# Altium PCB PCB.PcbDoc (part 5 of 10)
Units mm, origin at the board's own origin, x right, y up, seen from the top; angles counter-clockwise.
Board outline 25 x 25 mm, 10 copper layers (Top Layer, bu3, bu2, bu1, Core1, Core1b, bu1b, bu2b, bu3b, Bottom Layer), stack 1.2 mm thick; 43 components, 310 nets, 1945 pads, 12307 vias.
Unrouted connection lines stored in the file: 68.
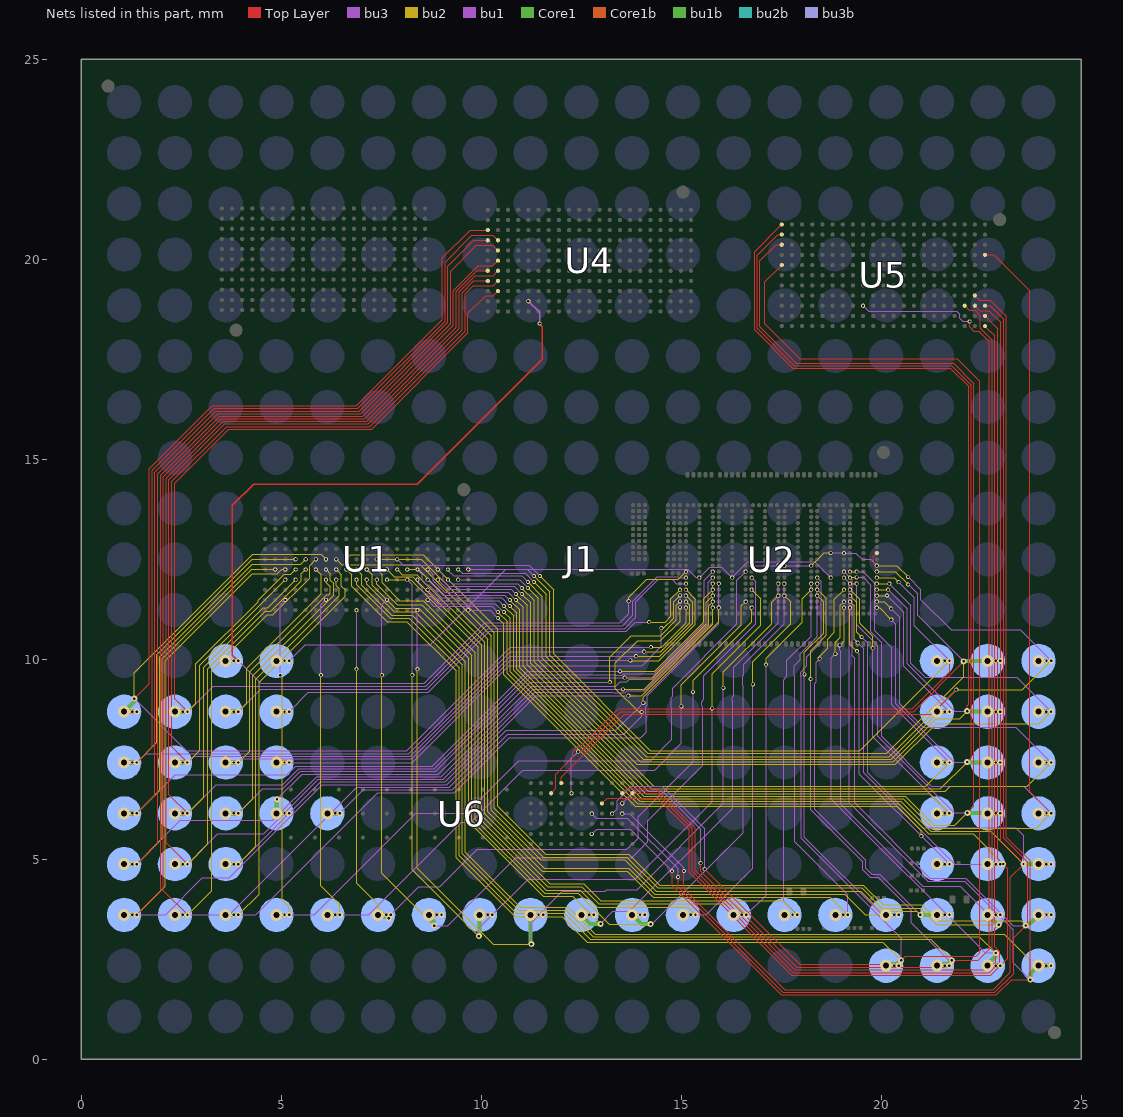
[diagram p13: the nets of this part, all layers, seen from the top]

## Via types
v1: diameter 0.1, hole 0.06, Top Layer to bu3, 2216 vias
v2: diameter 0.1, hole 0.06, bu3 to bu2, 1881 vias
v3: diameter 0.1, hole 0.06, bu3b to Bottom Layer, 1302 vias
v4: diameter 0.1, hole 0.06, bu2b to bu3b, 1272 vias
v5: diameter 0.1, hole 0.06, bu2 to bu1, 1248 vias
v6: diameter 0.15/0.1 (per signal layer), hole 0.06, Core1b to bu1b, 1224 vias
v7: diameter 0.1/0.15 (per signal layer), hole 0.06, bu1 to Core1, 1096 vias
v8: diameter 0.1, hole 0.06, bu1b to bu2b, 1021 vias
v9: diameter 0.25, hole 0.15, Core1 to Core1b, 537 vias
v10: diameter 0.3, hole 0.15, Core1 to Core1b, 253 vias
v11: diameter 0.1/0.1 (per signal layer), hole 0.06, bu1b to bu2b, 114 vias
v12: diameter 0.26, hole 0.15, Core1 to Core1b, 81 vias
v13: diameter 0.1, hole 0.06, bu1 to Core1, 52 vias
v14: diameter 0.105, hole 0.06, Top Layer to bu3, 6 vias
v15: diameter 0.1, hole 0.06, Core1b to bu1b, 4 vias

## Nets (pads, with @x,y where several pads share a name; then routed paths per layer and width w, separated by ;. In a path a pad name is that pad's centre, name@x,y a point inside that pad or via, vN(x,y) a via of type N, cw(c..) or ccw(c..) an arc to the next point about the centre after c; other vN are vias at no path point) (continued)
sig_M1: J1.M1 U1.T7 U2.8 U2.66 U2.82 U2.95 U2.111 U2.182 U2.211 U6.A8 | length 40.4
  Top Layer w0.03: U6.A8@12,6.905 12,7.057 13.57,8.627 21.26,8.627 v1(21.877,9.244) ; v5(17.427,12.344) v1(17.577,12.344) ; v2(19.887,12.344) 19.794,12.437 19.794,12.562 U2.182@19.887,12.654
  bu3 w0.03: v1(9.42,12.246) 9.517,12.149 11.099,12.149 v2(11.315,11.933) ; v5(19.067,12.654) 19.364,12.654 19.518,12.5 19.731,12.5 v2(19.887,12.344)
  Core1 w0.1: v8(23.93,9.96) v7(24.245,9.961)
  Core1b w0.1: v8(23.93,9.96) v7(24.245,9.961)
  bu3b w0.1: v8(23.93,9.96) v4(24.13,9.96)
  bu2 w0.03: v2(11.315,11.933) 11.623,11.625 11.623,10.061 14.118,7.566 20.195,7.566 21.873,9.244 v1(21.877,9.244) 21.887,9.234 23.518,9.234 v7(24.245,9.961) ; v2(18.247,12.344) 18.567,12.664 v5(18.734,12.664) ; v2(19.887,12.344) 20.387,12.344 v5(20.669,12.062)
  bu2b w0.1: v8(23.93,9.96) v4(24.13,9.96)
  bu1 w0.03: v5(16.757,12.344) v5(17.427,12.344) v1(17.577,12.344) v2(18.247,12.344) ; v5(18.734,12.664) 18.739,12.659 19.062,12.659 v5(19.067,12.654) ; v5(20.669,12.062) 20.986,11.745 20.986,11.492 21.743,10.735 23.47,10.735 23.682,10.523 v7(24.245,9.961)
  bu1b w0.1: v8(23.93,9.96) v7(24.245,9.961)
  other v1: 16.757,12.344 17.427,12.344 18.247,12.344 19.887,12.344 19.067,12.654
  other v2: 21.877,9.244 16.757,12.344 17.427,12.344 17.577,12.344 19.067,12.654
  other v3: 23.93,9.96
  other v5: 24.245,9.961 17.577,12.344 18.247,12.344
  other v6: 24.245,9.961
  other v10: 23.93,9.96
sig_M2: J1.M2 U1.U7 U2.7 U6.B7 | length 33.1
  Top Layer w0.03: v1(12.419,7.693) 12.42,7.694 12.492,7.694 13.492,8.694 20.806,8.694 v7(22.059,9.947)
  bu3 w0.03: v1(9.674,12.246) 11.152,12.246 v2(11.315,12.083) ; v1(12.254,6.651) 12.254,7.528 v1(12.419,7.693)
  Core1 w0.1: v7(22.059,9.947) 22.066,9.954 22.654,9.954 v3(22.66,9.96)
  Core1b w0.1: v3(22.66,9.96) v6(22.975,9.961)
  bu3b w0.1: v3(22.66,9.96) v4(22.86,9.96)
  bu2 w0.03: v2(11.315,12.083) 11.713,11.685 11.713,10.098 14.165,7.646 20.135,7.646 22.059,9.57 v7(22.059,9.947) ; v2(19.887,12.194) 20.348,12.194 v5(20.671,11.871)
  bu2b w0.1: v3(22.66,9.96) v4(22.86,9.96)
  bu1 w0.03: v5(20.671,11.871) 20.906,11.636 20.906,11.1 v7(22.059,9.947)
  bu1b w0.1: v3(22.66,9.96) v6(22.975,9.961)
  other v1: 22.059,9.947 19.887,12.194
  other v2: 22.059,9.947
  other v5: 22.059,9.947
  other v8: 22.66,9.96
  other v10: 22.66,9.96
sig_M3: J1.M3 U1.N6 U2.6 U6.B9 | length 33.9
  Top Layer w0.03: U6.B9@11.746,6.651 11.867,6.772 11.867,7.126 12.29,7.549 12.29,7.691 12.426,7.827 12.49,7.827 13.425,8.762 20.774,8.762 21.705,9.693 v6(21.705,9.961)
  bu3 w0.03: v1(7.896,12.5) 8.05,12.346 11.202,12.346 v2(11.465,12.083)
  Core1 w0.1: v8(21.39,9.96) v6(21.705,9.961)
  Core1b w0.1: v8(21.39,9.96) v6(21.705,9.961)
  bu3b w0.1: v8(21.39,9.96) v4(21.59,9.96)
  bu2 w0.03: v2(11.465,12.083) 11.808,11.74 11.808,10.138 14.227,7.718 19.462,7.718 v6(21.705,9.961) ; v2(19.887,12.044) 20.317,12.044 v5(20.431,11.93)
  bu2b w0.1: v8(21.39,9.96) v4(21.59,9.96)
  bu1 w0.03: v5(20.431,11.93) 20.821,11.54 20.821,10.844 v6(21.705,9.961)
  bu1b w0.1: v8(21.39,9.96) v6(21.705,9.961)
  other v1: 21.705,9.961 19.887,12.044
  other v2: 21.705,9.961
  other v3: 21.39,9.96
  other v5: 21.705,9.961
  other v7: 21.705,9.961
  other v10: 21.39,9.96
sig_M16: J1.M16 U2.43 U2.130 U2.159 | length 16.5
  Core1 w0.1: v8(4.88,9.96) v7(5.195,9.961)
  Core1b w0.1: v8(4.88,9.96) v7(5.195,9.961)
  bu3b w0.1: v8(4.88,9.96) v4(5.08,9.96)
  bu2b w0.1: v8(4.88,9.96) v4(5.08,9.96)
  bu1 w0.03: v7(5.195,9.961) 5.6,10.366 8.725,10.366 10.606,12.247 15.16,12.247 15.357,12.05 15.446,12.05 v5(15.452,12.044) 15.71,12.302 16.014,12.302 v5(16.272,12.044) 16.272,12.047 16.664,12.439 18.337,12.439 v5(18.732,12.044)
  bu1b w0.1: v8(4.88,9.96) v7(5.195,9.961)
  other v1: 15.452,12.044 16.272,12.044 18.732,12.044
  other v2: 15.452,12.044 16.272,12.044 18.732,12.044
  other v3: 4.88,9.96
  other v6: 5.195,9.961
  other v10: 4.88,9.96
sig_M17: J1.M17 U2.168 U4.E10 | length 29
  Top Layer w0.035: v6(3.925,9.961) 3.779,10.106 3.779,13.847 4.306,14.374 8.398,14.374 11.522,17.498 11.522,18.314 11.458,18.378 v1(11.458,18.395)
  bu3 w0.035: v1(11.178,18.952) 11.458,18.672 v1(11.458,18.395)
  Core1 w0.1: v8(3.61,9.96) v6(3.925,9.961)
  Core1b w0.1: v8(3.61,9.96) v6(3.925,9.961)
  bu3b w0.1: v8(3.61,9.96) v4(3.81,9.96)
  bu2 w0.03: v5(13.684,11.455) 13.687,11.458 13.687,11.55 14.136,11.999 14.922,11.999 v2(15.117,12.194)
  bu2b w0.1: v8(3.61,9.96) v4(3.81,9.96)
  bu1 w0.03: v6(3.925,9.961) 4.482,9.403 8.573,9.403 10.086,10.916 13.461,10.916 13.684,11.139 v5(13.684,11.455)
  bu1b w0.1: v8(3.61,9.96) v6(3.925,9.961)
  other v1: 3.925,9.961 15.117,12.194
  other v2: 3.925,9.961
  other v3: 3.61,9.96
  other v5: 3.925,9.961
  other v7: 3.925,9.961
  other v10: 3.61,9.96
sig_N1: J1.N1 U1.S8 U2.5 | length 26.3
  bu3 w0.03: v1(9.166,11.992) 9.267,11.893 10.905,11.893 v2@11.015,11.783
  Core1 w0.1: v10@23.93,8.69 v7@24.244,8.69
  Core1b w0.1: v10@23.93,8.69 v6@24.244,8.69
  bu3b w0.1: v3@23.93,8.69 v4@24.13,8.69
  bu2 w0.03: v2@11.015,11.783 11.321,11.477 11.321,9.936 13.886,7.371 20.348,7.371 21.369,8.392 23.946,8.392 v5@24.245,8.691 ; v2@19.887,11.894 20.198,11.894 v5@20.202,11.89
  bu2b w0.1: v8@23.93,8.69 v4@24.13,8.69
  bu1 w0.03: v5@20.202,11.89 20.738,11.354 20.738,9.901 21.092,9.547 23.388,9.547 v7@24.245,8.691
  bu1b w0.1: v8@23.93,8.69 v6@24.244,8.69
  other v1: 19.885,11.894
  other v2: 11.013,11.783 19.885,11.894
  other v3: 23.928,8.69
  other v4: 24.128,8.69
  other v5: 24.242,8.691 20.2,11.89
  other v6: 24.242,8.691
  other v7: 24.242,8.691
  other v8: 23.928,8.69
  other v10: 23.928,8.69
sig_N2: J1.N2 U1.T8 U2.4 U5.A1 | length 38.9
  Top Layer w0.03: U5.A1@17.512,20.872 16.832,20.192 16.832,18.236 17.785,17.283 21.726,17.283 22.188,16.821 22.188,8.875 22.15,8.837 v1(22.148,8.702)
  bu3 w0.03: v1(9.42,11.992) 10.956,11.992 v2@11.165,11.783
  Core1 w0.1: v1(22.148,8.702) 22.156,8.696 22.654,8.696 v10@22.66,8.69
  Core1b w0.1: v10@22.66,8.69 v6@22.974,8.69
  bu3b w0.1: v3@22.66,8.69 v4@22.86,8.69
  bu2 w0.03: v2@11.165,11.783 11.426,11.522 11.426,9.979 13.967,7.438 20.296,7.438 21.367,8.509 21.957,8.509 v1(22.148,8.702) ; v2@19.887,11.744 v5@20.173,11.744
  bu2b w0.1: v8@22.66,8.69 v4@22.86,8.69
  bu1 w0.03: v5@20.173,11.744 20.648,11.269 20.648,9.895 21.841,8.702 v1(22.148,8.702)
  bu1b w0.1: v8@22.66,8.69 v6@22.974,8.69
  other v1: 19.885,11.744
  other v2: 22.148,8.702 19.885,11.744 11.163,11.783
  other v3: 22.658,8.69
  other v4: 22.858,8.69
  other v5: 22.148,8.702 20.171,11.744
  other v6: 22.972,8.691
  other v7: 22.148,8.702
  other v8: 22.658,8.69
  other v10: 22.658,8.69
sig_N3: J1.N3 U1.S7 U2.3 | length 21.1
  bu3 w0.03: v1(9.166,12.246) 9.166,12.227 9.305,12.088 11.01,12.088 v2(11.165,11.933)
  Core1 w0.1: v8(21.39,8.69) v6(21.705,8.691)
  Core1b w0.1: v8(21.39,8.69) v6(21.705,8.691)
  bu3b w0.1: v8(21.39,8.69) v4(21.59,8.69)
  bu2 w0.03: v2(11.165,11.933) 11.528,11.57 11.528,10.022 14.047,7.503 20.244,7.503 21.432,8.691 v6(21.705,8.691) ; v1(19.887,11.594) v1(19.887,11.594) v5(20.142,11.596) v5(20.142,11.596)
  bu2b w0.1: v8(21.39,8.69) v4(21.59,8.69)
  bu1 w0.03: v5(20.142,11.596) 20.566,11.172 20.566,9.829 21.566,8.829 v6(21.705,8.691)
  bu1b w0.1: v8(21.39,8.69) v6(21.705,8.691)
  other v2: 19.887,11.594
  other v3: 21.39,8.69
  other v5: 21.705,8.691
  other v7: 21.705,8.691
  other v10: 21.39,8.69
sig_N16: J1.N16 U2.403 | length 12.6
  Core1 w0.1: v3(4.88,8.69) v7(5.195,8.691)
  Core1b w0.1: v3(4.88,8.69) v7(5.195,8.691)
  bu3b w0.1: v3(4.88,8.69) v4(5.08,8.69)
  bu2 w0.03: v5(14.197,10.927) 14.594,10.927 14.739,11.072 14.739,11.516 v2(14.967,11.744)
  bu2b w0.1: v3(4.88,8.69) v4(5.08,8.69)
  bu1 w0.03: v7(5.195,8.691) 5.679,9.175 8.67,9.175 10.193,10.698 13.617,10.698 13.846,10.927 v5(14.197,10.927)
  bu1b w0.1: v3(4.88,8.69) v7(5.195,8.691)
  other v1: 14.967,11.744
  other v6: 5.195,8.691
  other v8: 4.88,8.69
  other v10: 4.88,8.69
sig_N17: J1.N17 U1.F7 U2.166 | length 18.6
  Core1 w0.1: v3(3.61,8.69) v7(3.925,8.691)
  Core1b w0.1: v3(3.61,8.69) v7(3.925,8.691)
  bu3b w0.1: v3(3.61,8.69) v4(3.81,8.69)
  bu2 w0.03: v7(3.925,8.691) 4.132,8.898 4.132,9.771 6.001,11.64 6.001,12.109 v1(5.864,12.246)
  bu2b w0.1: v3(3.61,8.69) v4(3.81,8.69)
  bu1 w0.03: v7(3.925,8.691) 4.487,9.253 8.642,9.253 10.158,10.769 13.584,10.769 13.863,11.048 13.863,11.435 14.426,11.998 14.769,11.998 14.873,11.894 v2(15.117,11.894)
  bu1b w0.1: v3(3.61,8.69) v7(3.925,8.691)
  other v1: 15.117,11.894
  other v2: 5.864,12.246
  other v5: 3.925,8.691 15.117,11.894
  other v6: 3.925,8.691
  other v8: 3.61,8.69
  other v10: 3.61,8.69
sig_N18: J1.N18 U1.D7 U2.167 U4.B9 | length 36.4
  Top Layer w0.03: v6(2.655,8.691) 2.333,9.012 2.333,14.398 3.687,15.752 7.256,15.752 9.665,18.161 9.665,18.646 10.106,19.087 10.297,19.087 U4.B9@10.416,19.206
  Core1 w0.1: v3(2.34,8.69) v6(2.655,8.691)
  Core1b w0.1: v3(2.34,8.69) v6(2.655,8.691)
  bu3b w0.1: v3(2.34,8.69) v4(2.54,8.69)
  bu2 w0.03: v6(2.655,8.691) 2.866,8.902 2.866,9.888 4.42,11.442 4.42,11.479 5.071,12.13 5.24,12.13 v1(5.356,12.246)
  bu2b w0.1: v3(2.34,8.69) v4(2.54,8.69)
  bu1 w0.03: v6(2.655,8.691) 3.294,9.33 8.611,9.33 10.127,10.845 13.532,10.845 13.785,11.098 13.785,11.455 14.394,12.064 14.928,12.064 14.948,12.044 v2(15.117,12.044)
  bu1b w0.1: v3(2.34,8.69) v6(2.655,8.691)
  other v1: 2.655,8.691 15.117,12.044
  other v2: 2.655,8.691 5.356,12.246
  other v5: 2.655,8.691 15.117,12.044
  other v7: 2.655,8.691
  other v8: 2.34,8.69
  other v10: 2.34,8.69
sig_N19: J1.N19 U1.G6 U2.162 U4.A3 | length 42
  Top Layer w0.03: v7(1.324,9.018) 1.698,9.392 1.698,14.761 3.271,16.334 6.878,16.334 9.027,18.483 9.027,20.035 9.722,20.73 U4.A3@10.162,20.73
  Core1 w0.1: v8(1.07,8.69) 1.314,8.934 1.314,9.008 v7(1.324,9.018)
  Core1b w0.1: v8(1.07,8.69) v6(1.385,8.691)
  bu3b w0.1: v8(1.07,8.69) v4(1.27,8.69)
  bu2 w0.03: v7(1.324,9.018) 1.324,9.667 4.28,12.623 5.995,12.623 v2(6.118,12.5) ; v5(14.239,10.303) 14.508,10.303 15.117,10.912 v2(15.117,11.294)
  bu2b w0.1: v8(1.07,8.69) v4(1.27,8.69)
  bu1 w0.03: v5@1.328,8.993 1.328,9.014 v7(1.324,9.018) 1.408,8.934 2.516,7.826 2.524,7.818 ; 2.525,7.818 2.627,7.716 8.141,7.716 10.728,10.303 v5(14.239,10.303)
  bu1b w0.1: v8(1.07,8.69) v6(1.385,8.691)
  other v1: 1.324,9.018 15.117,11.294 6.118,12.5
  other v2: 1.324,9.018
  other v3: 1.07,8.69
  other v5: 1.324,9.018
  other v10: 1.07,8.69
sig_P1: J1.P1 U1.Q7 U2.2 | length 27.8
  bu3 w0.03: v1(8.658,12.246) 8.795,12.109 8.795,11.965 9.083,11.677 10.671,11.677 v2(10.865,11.483)
  Core1 w0.1: v3(23.93,7.42) v6(24.245,7.421)
  Core1b w0.1: v3(23.93,7.42) v6(24.245,7.421)
  bu3b w0.1: v3(23.93,7.42) v4(24.13,7.42)
  bu2 w0.03: v2(10.865,11.483) 11.052,11.296 11.052,9.824 14.178,6.698 21.601,6.698 21.726,6.823 23.647,6.823 v6(24.245,7.421) ; v1(19.887,11.444) 20.071,11.444 v5(20.247,11.268)
  bu2b w0.1: v3(23.93,7.42) v4(24.13,7.42)
  bu1 w0.03: v5(20.247,11.268) 20.464,11.051 20.464,8.89 21.047,8.307 23.358,8.307 v6(24.245,7.421)
  bu1b w0.1: v3(23.93,7.42) v6(24.245,7.421)
  other v2: 19.887,11.444
  other v5: 24.244,7.421
  other v7: 24.244,7.421
  other v8: 23.93,7.42
  other v10: 23.93,7.42
sig_P2: J1.P2 U1.R8 U2.1 U5.A2 | length 41.2
  Top Layer w0.03: U5.A2@17.512,20.618 17.409,20.618 16.896,20.105 16.896,18.274 17.828,17.342 21.766,17.342 22.253,16.855 22.253,7.535 v1(22.148,7.432)
  bu3 w0.03: v1(8.912,11.992) 9.158,11.748 10.75,11.748 v2@10.865,11.633
  Core1 w0.1: v1(22.148,7.432) 22.156,7.426 22.654,7.426 v10@22.66,7.42
  Core1b w0.1: v10@22.66,7.42 v6@22.974,7.42
  bu3b w0.1: v3@22.66,7.42 v4@22.86,7.42
  bu2 w0.03: v2@10.865,11.633 11.145,11.353 11.145,9.863 14.249,6.759 21.477,6.759 v1(22.148,7.432) ; v2@19.887,11.294 19.891,11.29 19.957,11.29 v5@20.254,10.993
  bu2b w0.1: v8@22.66,7.42 v4@22.86,7.42
  bu1 w0.03: v5@20.254,10.993 20.366,10.881 20.366,8.895 21.829,7.432 v1(22.148,7.432)
  bu1b w0.1: v8@22.66,7.42 v6@22.974,7.42
  other v1: 19.885,11.294
  other v2: 22.148,7.432 19.885,11.294 10.863,11.633
  other v3: 22.658,7.42
  other v4: 22.858,7.42
  other v5: 22.148,7.432 20.252,10.993
  other v6: 22.972,7.421
  other v7: 22.148,7.432
  other v8: 22.658,7.42
  other v10: 22.658,7.42
sig_P3: J1.P3 U1.R7 U2.23 | length 23.6
  bu3 w0.03: v1(8.912,12.246) 9.042,12.116 9.042,11.967 9.188,11.821 10.827,11.821 v2(11.015,11.633)
  Core1 w0.1: v8(21.39,7.42) v6(21.705,7.421)
  Core1b w0.1: v8(21.39,7.42) v6(21.705,7.421)
  bu3b w0.1: v8(21.39,7.42) v4(21.59,7.42)
  bu2 w0.03: v2(11.015,11.633) 11.232,11.416 11.232,9.899 14.309,6.823 21.107,6.823 v6(21.705,7.421) ; v1(19.217,12.194) v5(19.382,12.194)
  bu2b w0.1: v8(21.39,7.42) v4(21.59,7.42)
  bu1 w0.03: v5(19.382,12.194) 19.545,12.194 19.835,11.904 19.835,10.719 20.264,10.29 20.264,8.861 v6(21.705,7.421)
  bu1b w0.1: v8(21.39,7.42) v6(21.705,7.421)
  other v2: 19.217,12.194
  other v3: 21.39,7.42
  other v5: 21.705,7.421
  other v7: 21.705,7.421
  other v10: 21.39,7.42
sig_P16: J1.P16 U2.402 | length 13.4
  Core1 w0.1: v8(4.88,7.42) v6(5.195,7.421)
  Core1b w0.1: v8(4.88,7.42) v6(5.195,7.421)
  bu3b w0.1: v8(4.88,7.42) v4(5.08,7.42)
  bu2 w0.03: v5(14.5,10.78) 14.506,10.786 14.566,10.786 14.806,11.026 14.806,11.438 v2(14.967,11.599)
  bu2b w0.1: v8(4.88,7.42) v4(5.08,7.42)
  bu1 w0.03: v6(5.195,7.421) 8.27,7.421 10.692,9.842 14.019,9.842 14.5,10.323 v5(14.5,10.78)
  bu1b w0.1: v8(4.88,7.42) v6(5.195,7.421)
  other v1: 14.967,11.599
  other v3: 4.88,7.42
  other v7: 5.195,7.421
  other v10: 4.88,7.42
sig_P17: J1.P17 U1.G8 U2.165 | length 20.8
  Core1 w0.1: v10@3.61,7.42 v7@3.924,7.42
  Core1b w0.1: v10@3.61,7.42 v6@3.924,7.42
  bu3b w0.1: v3@3.61,7.42 v4@3.81,7.42
  bu2 w0.03: v5@3.925,7.421 4.211,7.707 4.211,9.686 6.135,11.61 6.185,11.61 6.227,11.652 6.227,11.815 6.122,11.92 6.122,11.99 v1(6.118,11.992) ; v5@13.726,9.972 13.728,9.97 14.44,9.97 15.351,10.881 15.351,11.505 v2@15.117,11.739
  bu2b w0.1: v8@3.61,7.42 v4@3.81,7.42
  bu1 w0.03: v7@3.925,7.421 4.019,7.515 8.267,7.515 10.724,9.972 v5@13.726,9.972
  bu1b w0.1: v8@3.61,7.42 v6@3.924,7.42
  other v1: 15.115,11.744
  other v2: 15.115,11.744 6.118,11.992
  other v3: 3.608,7.42
  other v4: 3.808,7.42
  other v5: 3.922,7.421 13.724,9.972
  other v6: 3.922,7.421
  other v7: 3.922,7.421
  other v8: 3.608,7.42
  other v10: 3.608,7.42
sig_P18: J1.P18 U1.C8 U2.164 U4.B8 | length 39.7
  Top Layer w0.03: v1@2.655,7.421 2.265,7.81 2.265,14.446 3.639,15.82 7.217,15.82 9.594,18.197 9.594,19.141 9.798,19.345 10.301,19.345 U4.B8@10.416,19.46
  Core1 w0.1: v10@2.34,7.42 v7@2.654,7.42
  Core1b w0.1: v10@2.34,7.42 v6@2.654,7.42
  bu3b w0.1: v3@2.34,7.42 v4@2.54,7.42
  bu2 w0.03: v5@2.655,7.421 2.961,7.727 2.961,9.849 v2@5.104,11.992 ; v5@13.875,10.077 14.459,10.077 15.281,10.899 15.281,11.43 v2@15.117,11.594
  bu2b w0.1: v8@2.34,7.42 v4@2.54,7.42
  bu1 w0.03: v7@2.655,7.421 2.811,7.577 8.224,7.577 10.724,10.077 v5@13.875,10.077
  bu1b w0.1: v8@2.34,7.42 v6@2.654,7.42
  other v1: 2.652,7.421 15.115,11.594 5.102,11.992
  other v2: 2.652,7.421 15.115,11.594 5.102,11.992
  other v3: 2.338,7.42
  other v4: 2.538,7.42
  other v5: 2.652,7.421 13.873,10.077
  other v6: 2.652,7.421
  other v7: 2.652,7.421
  other v8: 2.338,7.42
  other v10: 2.338,7.42
sig_P19: J1.P19 U1.D6 U2.163 U4.B4 | length 44
  Top Layer w0.03: v6(1.385,7.421) 1.769,7.805 1.769,14.723 3.318,16.272 6.912,16.272 9.094,18.454 9.094,19.929 9.765,20.6 10.292,20.6 U4.B4@10.416,20.476
  Core1 w0.1: v8(1.07,7.42) v6(1.385,7.421)
  Core1b w0.1: v8(1.07,7.42) v6(1.385,7.421)
  bu3b w0.1: v8(1.07,7.42) v4(1.27,7.42)
  bu2 w0.03: v6(1.385,7.421) 1.885,7.921 1.885,10.112 4.273,12.5 v1(5.356,12.5) ; v5(14.069,10.192) 14.488,10.192 15.212,10.916 15.212,11.349 v2(15.117,11.444)
  bu2b w0.1: v8(1.07,7.42) v4(1.27,7.42)
  bu1 w0.03: v6(1.385,7.421) 1.609,7.645 8.181,7.645 10.728,10.192 v5(14.069,10.192)
  bu1b w0.1: v8(1.07,7.42) v6(1.385,7.421)
  other v1: 1.385,7.421 15.117,11.444
  other v2: 1.385,7.421 5.356,12.5
  other v3: 1.07,7.42
  other v5: 1.385,7.421
  other v7: 1.385,7.421
  other v10: 1.07,7.42
sig_R1: J1.R1 U1.Q9 U2.22 U5.U4 | length 44.7
  Top Layer w0.03: U5.U4@22.592,20.11 22.816,20.11 23.707,19.219 23.707,6.688 v7(24.245,6.151)
  bu3 w0.03: v1(8.658,11.738) 8.931,11.465 10.433,11.465 v2(10.565,11.333)
  Core1 w0.1: v3(23.93,6.15) v7(24.245,6.151)
  Core1b w0.1: v3(23.93,6.15) v7(24.245,6.151)
  bu3b w0.1: v3(23.93,6.15) v4(24.13,6.15)
  bu2 w0.03: v2(10.565,11.333) 10.806,11.092 10.806,9.723 14.013,6.515 20.545,6.515 21.286,5.774 23.868,5.774 v7(24.245,6.151) ; v2(19.217,12.044) 19.22,12.047 19.38,12.047 v5(19.382,12.049)
  bu2b w0.1: v3(23.93,6.15) v4(24.13,6.15)
  bu1 w0.03: v5(19.382,12.049) 19.542,12.049 19.735,11.856 19.735,10.689 20.009,10.415 20.009,8.074 21.254,6.829 23.566,6.829 v7(24.245,6.151)
  bu1b w0.1: v3(23.93,6.15) v7(24.245,6.151)
  other v1: 24.245,6.151 19.217,12.044
  other v2: 24.245,6.151
  other v5: 24.245,6.151
  other v6: 24.245,6.151
  other v8: 23.93,6.15
  other v10: 23.93,6.15
sig_R2: J1.R2 U1.P7 U2.21 U5.A3 | length 45.3
  Top Layer w0.03: U5.A3@17.512,20.364 17.367,20.364 16.963,19.96 16.963,18.311 17.873,17.401 21.811,17.401 22.317,16.895 22.317,6.329 v2(22.15,6.162)
  bu3 w0.03: v1(8.404,12.246) 8.529,12.121 8.529,11.961 8.629,11.861 8.682,11.861 9.009,11.534 10.514,11.534 v2(10.715,11.333)
  Core1 w0.1: v2(22.15,6.162) 22.156,6.156 22.654,6.156 v3(22.66,6.15)
  Core1b w0.1: v3(22.66,6.15) v6(22.975,6.151)
  bu3b w0.1: v3(22.66,6.15) v4(22.86,6.15)
  bu2 w0.03: v2(10.715,11.333) 10.881,11.167 10.881,9.754 14.059,6.576 20.592,6.576 21.317,5.851 21.839,5.851 v2(22.15,6.162) ; v2@19.217,11.893 v5(19.384,11.893)
  bu2b w0.1: v3(22.66,6.15) v4(22.86,6.15)
  bu1 w0.03: v5(19.384,11.893) 19.384,10.858 19.907,10.335 19.907,8.075 21.82,6.162 v2(22.15,6.162)
  bu1b w0.1: v3(22.66,6.15) v6(22.975,6.151)
  other v1: 22.15,6.162 19.217,11.894
  other v2: 19.217,11.894
  other v5: 22.15,6.162
  other v7: 22.15,6.162
  other v8: 22.66,6.15
  other v10: 22.66,6.15
sig_R3: J1.R3 U1.Q8 U2.20 | length 24.3
  bu3 w0.03: v1(8.658,11.992) 9.046,11.606 10.592,11.606 v2@10.715,11.483
  Core1 w0.1: v10@21.39,6.15 v7@21.704,6.15
  Core1b w0.1: v10@21.39,6.15 v6@21.704,6.15
  bu3b w0.1: v3@21.39,6.15 v4@21.59,6.15
  bu2 w0.03: v2@10.715,11.483 10.965,11.233 10.965,9.788 14.113,6.64 21.215,6.64 v5@21.705,6.151 ; v2@19.217,11.739 19.222,11.739 19.455,11.506 19.455,10.902 19.785,10.572 v5@19.785,10.278
  bu2b w0.1: v8@21.39,6.15 v4@21.59,6.15
  bu1 w0.03: v5@19.785,10.278 19.785,8.07 21.579,6.276 v7@21.705,6.151
  bu1b w0.1: v8@21.39,6.15 v6@21.704,6.15
  other v1: 19.215,11.744
  other v2: 10.713,11.483 19.215,11.744
  other v3: 21.388,6.15
  other v4: 21.588,6.15
  other v5: 21.702,6.151 19.783,10.278
  other v6: 21.702,6.151
  other v7: 21.702,6.151
  other v8: 21.388,6.15
  other v10: 21.388,6.15
sig_R15: J1.R15 U2.400 | length 13.9
  Core1 w0.1: v3(6.15,6.15) v6(6.465,6.151)
  Core1b w0.1: v3(6.15,6.15) v6(6.465,6.151)
  bu3b w0.1: v3(6.15,6.15) v4(6.35,6.15)
  bu2 w0.03: v5(14.008,8.682) 14.006,8.684 13.936,8.684 13.353,9.267 13.353,9.911 13.905,10.463 14.478,10.463 14.967,10.952 v2(14.967,11.299)
  bu2b w0.1: v3(6.15,6.15) v4(6.35,6.15)
  bu1 w0.03: v6(6.465,6.151) 7.05,6.736 9.27,6.736 10.665,8.131 13.563,8.131 14.008,8.576 v5(14.008,8.682)
  bu1b w0.1: v3(6.15,6.15) v6(6.465,6.151)
  other v1: 14.967,11.299
  other v7: 6.465,6.151
  other v8: 6.15,6.15
  other v10: 6.15,6.15
sig_R16: J1.R16 U2.401 | length 14.1
  Core1 w0.1: v3(4.88,6.15) 4.886,6.156 4.886,6.493 v7(4.891,6.498)
  Core1b w0.1: v3(4.88,6.15) v6(5.195,6.151)
  bu3b w0.1: v3(4.88,6.15) v4(5.08,6.15)
  bu2 w0.03: v5(13.213,9.43) 13.208,9.435 13.208,10.05 13.753,10.595 14.483,10.595 14.872,10.984 14.872,11.354 v2(14.967,11.449)
  bu2b w0.1: v3(4.88,6.15) v4(5.08,6.15)
  bu1 w0.03: v7(4.891,6.498) 5.524,7.131 8.929,7.131 11.228,9.43 v5(13.213,9.43)
  bu1b w0.1: v3(4.88,6.15) v6(5.195,6.151)
  other v1: 14.967,11.449
  other v8: 4.88,6.15
  other v10: 4.88,6.15
sig_R17: J1.R17 U1.G7 U2.148 | length 22.9
  Core1 w0.1: v8(3.61,6.15) v6(3.925,6.151)
  Core1b w0.1: v8(3.61,6.15) v6(3.925,6.151)
  bu3b w0.1: v8(3.61,6.15) v4(3.81,6.15)
  bu2 w0.03: v6(3.925,6.151) 4.288,6.514 4.288,9.585 6.305,11.602 6.305,11.902 6.225,11.982 6.225,12.139 v1(6.118,12.246) ; v5(13.582,9.543) 14.269,9.543 15.621,10.895 15.621,11.428 v2(15.787,11.594)
  bu2b w0.1: v8(3.61,6.15) v4(3.81,6.15)
  bu1 w0.03: v6(3.925,6.151) 4.533,6.759 5.04,6.759 5.477,7.196 8.86,7.196 11.207,9.543 v5(13.582,9.543)
  bu1b w0.1: v8(3.61,6.15) v6(3.925,6.151)
  other v1: 15.787,11.594
  other v2: 6.118,12.246
  other v3: 3.61,6.15
  other v5: 3.925,6.151
  other v7: 3.925,6.151
  other v10: 3.61,6.15
sig_R18: J1.R18 U1.D8 U2.152 U4.A8 | length 43.8
  Top Layer w0.03: v1@2.655,6.151 2.192,6.613 2.192,14.487 3.591,15.886 7.172,15.886 9.521,18.235 9.521,19.166 9.815,19.46 U4.A8@10.162,19.46
  Core1 w0.1: v10@2.34,6.15 v7@2.654,6.15
  Core1b w0.1: v10@2.34,6.15 v6@2.654,6.15
  bu3b w0.1: v3@2.34,6.15 v4@2.54,6.15
  bu2 w0.03: v5@2.655,6.151 3.06,6.556 3.06,9.808 4.546,11.294 4.66,11.294 v2@5.358,11.992
  bu2b w0.1: v8@2.34,6.15 v4@2.54,6.15
  bu1 w0.03: v7@2.655,6.151 3.371,6.867 5.042,6.867 5.439,7.264 8.821,7.264 11.176,9.619 13.339,9.619 13.354,9.604 13.506,9.604 13.547,9.645 14.323,9.645 15.571,10.893 15.571,11.978 v2(15.787,12.194)
  bu1b w0.1: v8@2.34,6.15 v6@2.654,6.15
  other v1: 2.652,6.151 5.356,11.992 15.787,12.194
  other v2: 2.652,6.151 5.356,11.992
  other v3: 2.338,6.15
  other v4: 2.538,6.15
  other v5: 2.652,6.151 15.787,12.194
  other v6: 2.652,6.151
  other v7: 2.652,6.151
  other v8: 2.338,6.15
  other v10: 2.338,6.15
sig_R19: J1.R19 U1.E6 U2.149 U4.A4 | length 47.5
  Top Layer w0.03: v6(1.385,6.151) 1.839,6.605 1.839,14.681 3.366,16.208 6.948,16.208 9.163,18.423 9.163,19.824 9.815,20.476 U4.A4@10.162,20.476
  Core1 w0.1: v3(1.07,6.15) v6(1.385,6.151)
  Core1b w0.1: v3(1.07,6.15) v6(1.385,6.151)
  bu3b w0.1: v3(1.07,6.15) v4(1.27,6.15)